# Altium PCB BMS_Slave-X+X.PcbDoc (part 1 of 3)
Units mil, origin at the board's own origin, x right, y up, seen from the top; angles counter-clockwise.
Board outline 10980 x 2910 mil, 2 copper layers (Top Layer, Bottom Layer); 344 components, 227 nets, 912 pads, 975 vias.
Unrouted connection lines stored in the file: 1.
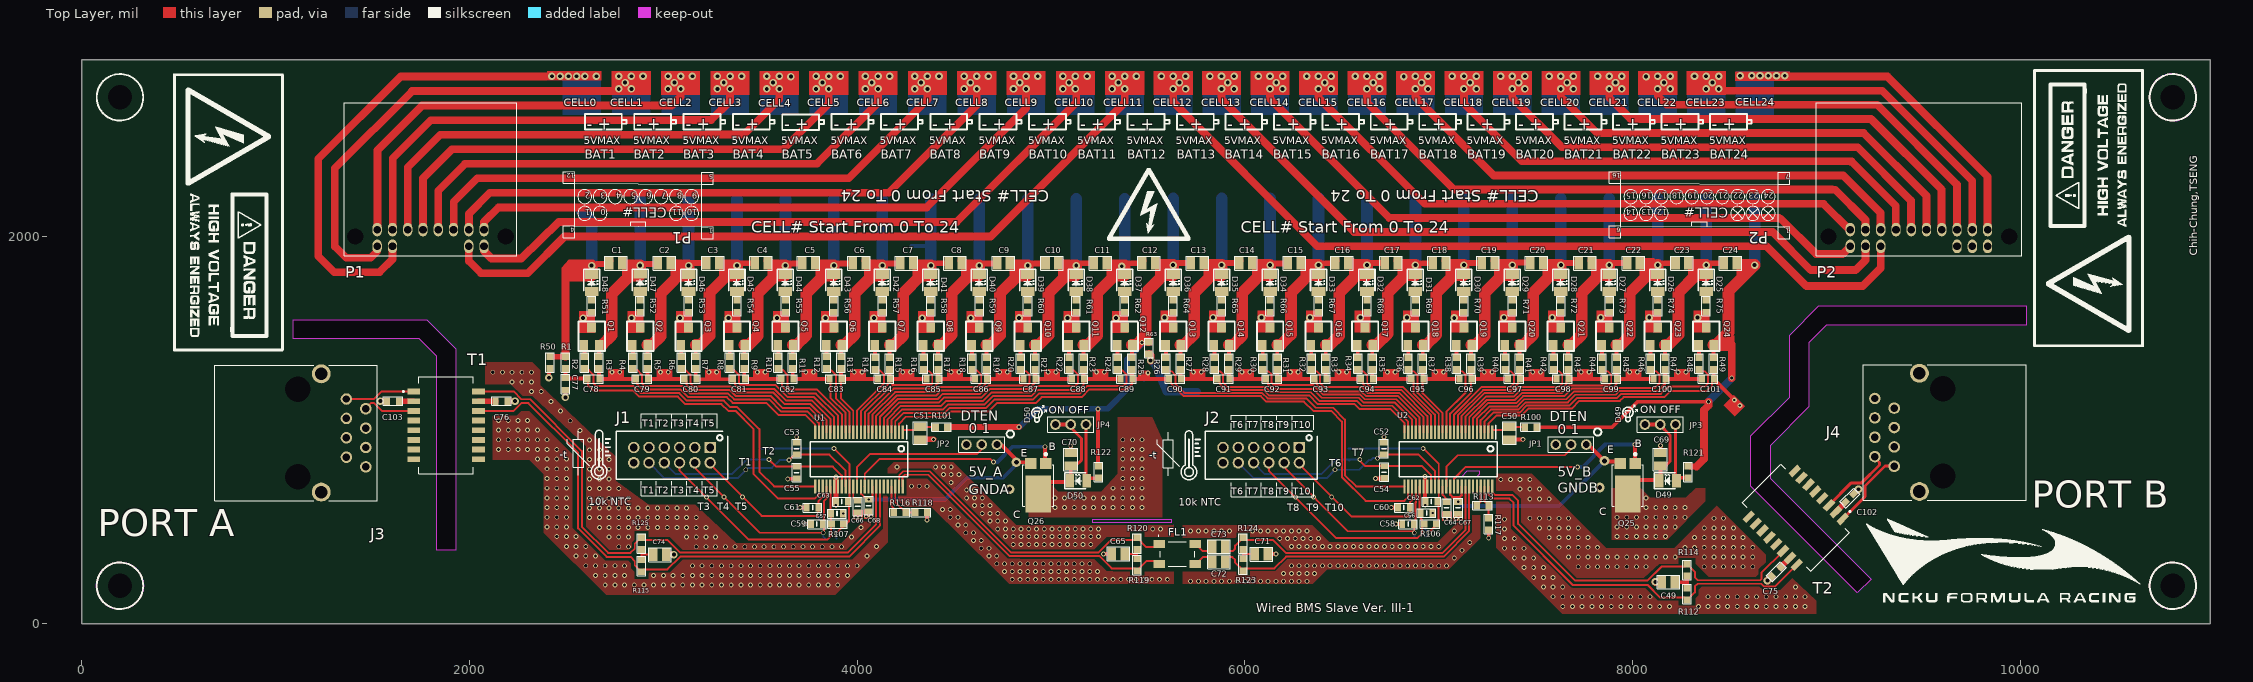
[diagram p0: Top Layer view]
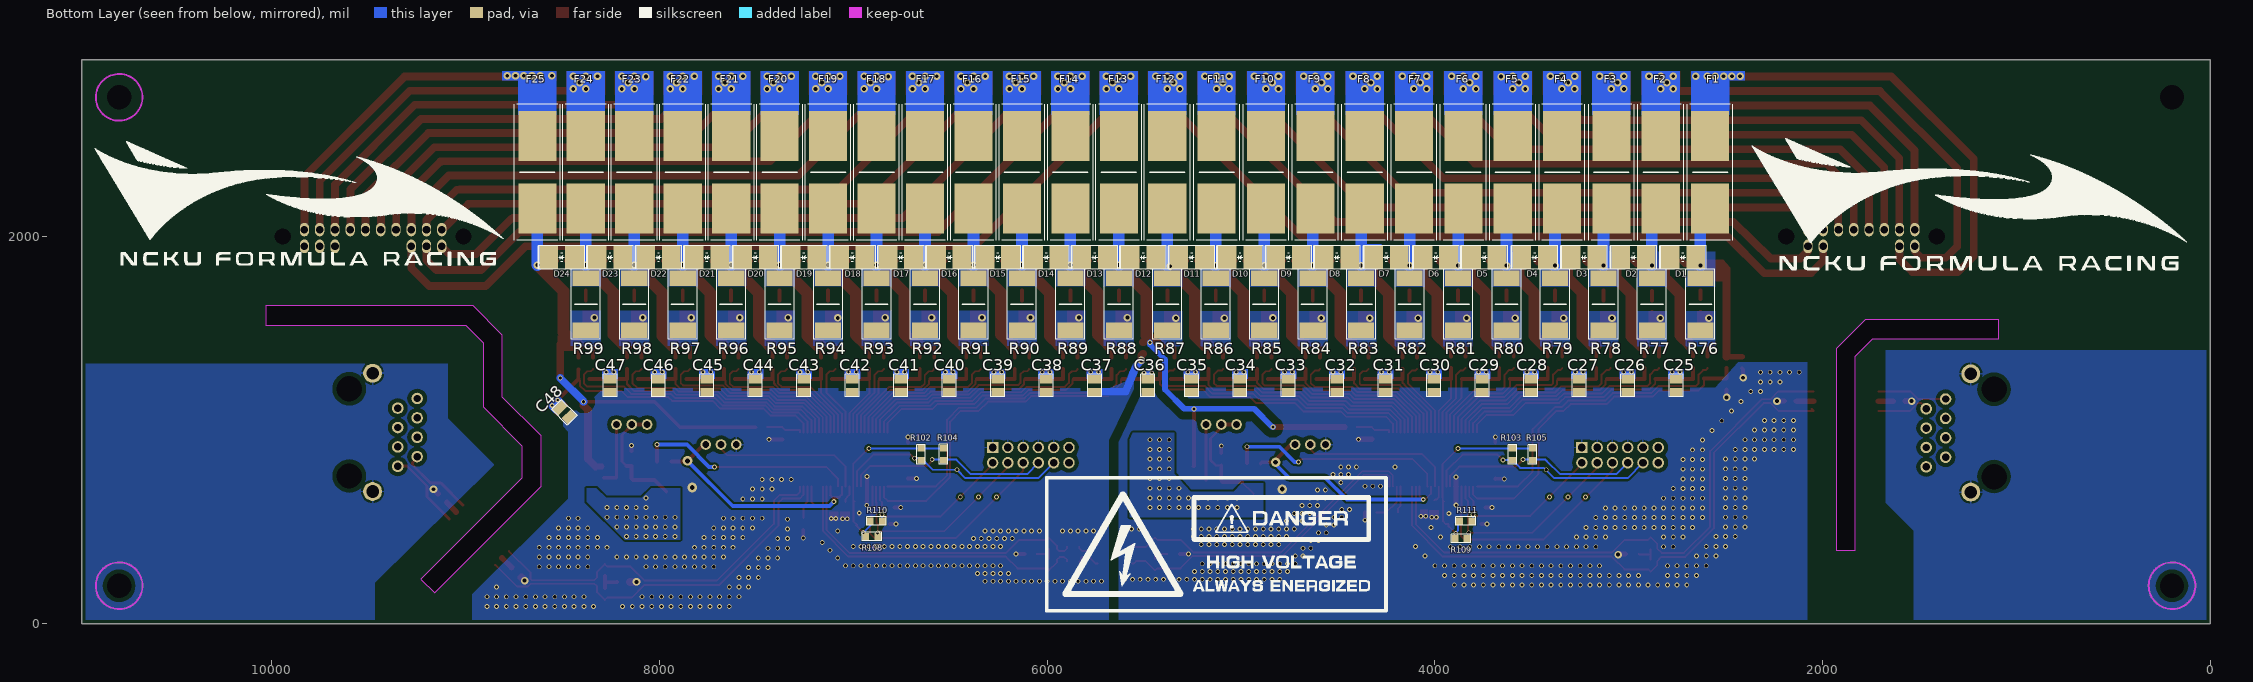
[diagram p1: Bottom Layer view, seen from below]
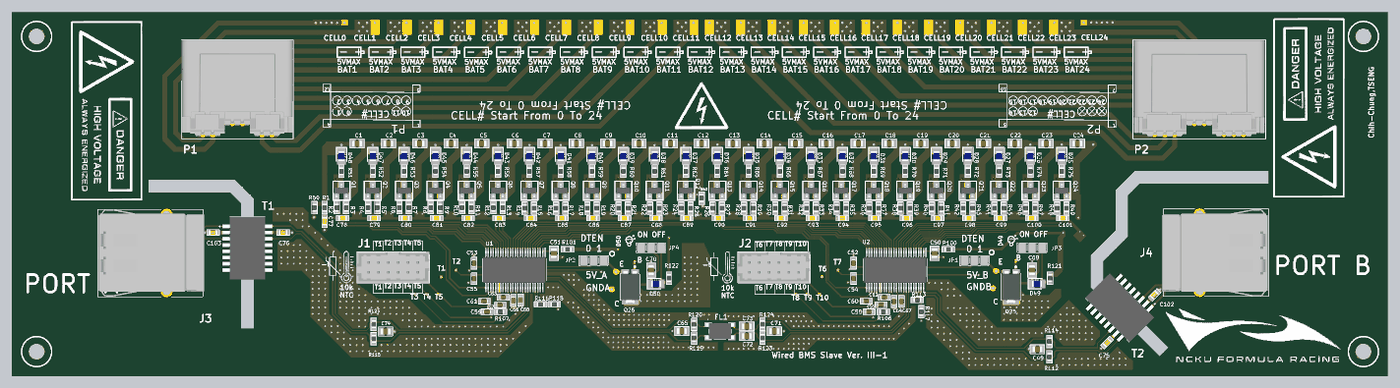
[diagram p4: 3D render of the assembled board from above, using the file's embedded part models]
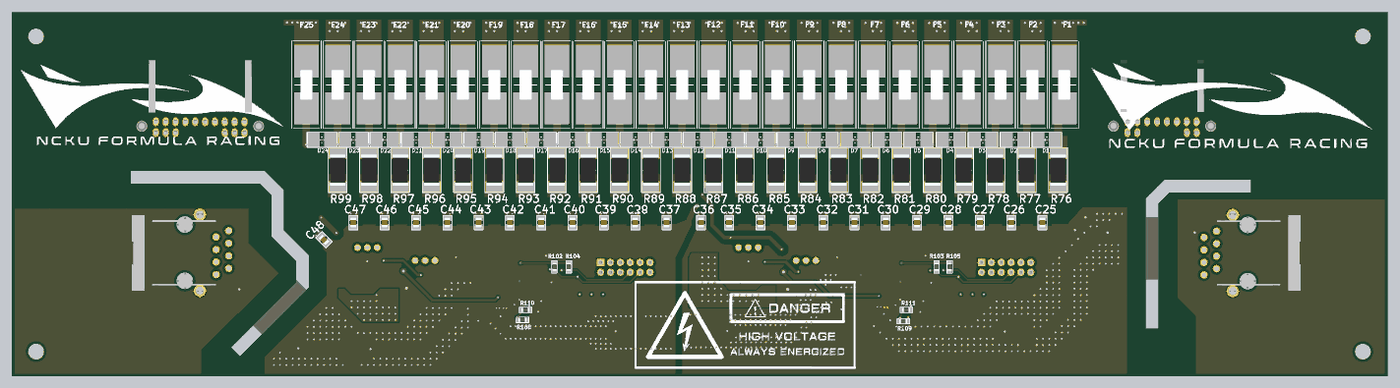
[diagram p5: 3D render of the assembled board from below, using the file's embedded part models]

## Layer stack, top to bottom
Top Solder: solder mask 0.4, Solder Resist, Dk 3.5
Top Layer: signal copper 1.4
Dielectric 1: dielectric 12.6, FR-4, Dk 4.3
Bottom Layer: signal copper 1.4
Bottom Solder: solder mask 0.4, Solder Resist, Dk 3.5

## Board outline
0,0 10980,0 10980,2910 0,2910
cut-out: 1930,1420 1930,381 1830,381 1830,1380 1740,1470 1092,1470 1092,1570 1780,1570
cut-out: 10030,1540 9000,1540 8910,1450 8910,1120 8710,920 8710,751.69 9230.85,230.85 9160,160 8610,710 8610,969.93 8810,1169.93 8810,1490 8960,1640 10030,1640

## Design rules (kind name [scope] priority, off if disabled: settings)
BoardOutlineClearance [All] p1: gap=10 ignorepadtopadclearanceinfootprint=FALSE except(0: Arc-SplitContinuation Track-SplitContinuation SMDPad-SplitContinuation THPad-SplitContinuation Via-SplitContinuation Fill-SplitContinuation Poly-SplitContinuation Region-SplitContinuation Text-SplitContinuation; 20: Poly-OutlineEdge)
Clearance "Cell0-24 CLEARANCE" [InNet('CELL24','CELL23','CELL22','CELL21','CELL20','CELL19','CELL18','CELL17','CELL16','CELL15','CELL14','CELL13','CELL12','CELL11','CELL10','CELL9','CELL8','CELL7','CELL6','CELL5','CELL4','CELL3','CELL2','CELL1','CELL0')] p1: gap=10 ignorepadtopadclearanceinfootprint=FALSE except(0: Arc-Hole Track-Hole SMDPad-Hole THPad-Hole Via-Hole Fill-Hole Poly-Hole Region-Hole Text-Hole; 2: SMDPad-SMDPad; 6: Arc-Arc Arc-Track Arc-SMDPad Arc-THPad Arc-Via Track-Track Track-SMDPad Track-THPad Track-Via SMDPad-THPad SMDPad-Via; 40: Track-Poly SMDPad-Poly THPad-Poly Via-Poly)
Clearance "C0-24 CLEARANCE" [InNet('C24','C23','C22','C21','C20','C19','C18','C17','C16','C15','C14','C13','C12','C11','C10','C9','C8','C7','C6','C5','C4','C3','C2','C1','C0')] p2: gap=10 ignorepadtopadclearanceinfootprint=FALSE except(0: Arc-Hole Track-Hole SMDPad-Hole THPad-Hole Via-Hole Fill-Hole Poly-Hole Region-Hole Text-Hole; 2: SMDPad-SMDPad; 6: Arc-Arc Arc-Track Arc-SMDPad Arc-THPad Arc-Via Track-Track Track-SMDPad Track-THPad Track-Via SMDPad-THPad SMDPad-Via; 40: Track-Poly SMDPad-Poly THPad-Poly Via-Poly)
Clearance "Layer2 Clearance" [OnLayer('Layer 2')] p3: gap=40 ignorepadtopadclearanceinfootprint=FALSE
Clearance "Cell_UF_0-24 CLEARANCE" [InNet('CELL_UF_24','CELL_UF_23','CELL_UF_22','CELL_UF_21','CELL_UF_20','CELL_UF_19','CELL_UF_18','CELL_UF_17','CELL_UF_16','CELL_UF_15','CELL_UF_14','CELL_UF_13','CELL_UF_12','CELL_UF_11','CELL_UF_10','CELL_UF_9','CELL_UF_8','CELL_UF_7','CELL_UF_6','CELL_UF_5','CELL_UF_4','CELL_UF_3','CELL_UF_2','CELL_UF_1','CELL_UF_0')] p4: gap=10 ignorepadtopadclearanceinfootprint=FALSE except(0: Arc-Hole Track-Hole SMDPad-Hole THPad-Hole Via-Hole Fill-Hole Poly-Hole Region-Hole Text-Hole; 2: SMDPad-SMDPad; 6: Arc-Arc Arc-Track Arc-SMDPad Arc-THPad Arc-Via Track-Track Track-SMDPad Track-THPad Track-Via SMDPad-THPad SMDPad-Via; 40: Track-Poly SMDPad-Poly THPad-Poly Via-Poly)
Clearance "MOS DRAIN CLEARANCE" [InNet('NetQ24_3','NetQ23_3','NetQ22_3','NetQ21_3','NetQ20_3','NetQ19_3','NetQ18_3','NetQ17_3','NetQ16_3','NetQ15_3','NetQ14_3','NetQ13_3','NetQ12_3','NetQ11_3','NetQ10_3','NetQ9_3','NetQ8_3','NetQ7_3','NetQ6_3','NetQ5_3','NetQ4_3','NetQ3_3','NetQ2_3','NetQ1_3','NetQ0_3')] p5: gap=10 ignorepadtopadclearanceinfootprint=FALSE except(0: Arc-Hole Track-Hole SMDPad-Hole THPad-Hole Via-Hole Fill-Hole Poly-Hole Region-Hole Text-Hole; 2: SMDPad-SMDPad; 6: Arc-Arc Arc-Track Arc-SMDPad Arc-THPad Arc-Via Track-Track Track-SMDPad Track-THPad Track-Via SMDPad-THPad SMDPad-Via; 40: Track-Poly SMDPad-Poly THPad-Poly Via-Poly)
Clearance [All] p6: gap=10 ignorepadtopadclearanceinfootprint=FALSE except(0: Arc-Hole Track-Hole SMDPad-Hole THPad-Hole Via-Hole Fill-Hole Poly-Hole Region-Hole Text-Hole; 2: SMDPad-SMDPad; 6: Arc-Arc Arc-Track Arc-SMDPad Arc-THPad Arc-Via Track-Track Track-SMDPad Track-THPad Track-Via SMDPad-THPad SMDPad-Via SMDPad-Poly; 20: THPad-Poly)
DiffPairsRouting DiffPairs100Ohm [InNetClass('Differential 100 Ohm')] p1: maxlimit=13.38 minlimit=6 mostfreqgap=8.32 impedancedriven=TRUE impedanceprofileid={48B31C80-792B-4DCA-A85B-5AE276B36CC6} maxuncoupledlength=500
DiffPairsRouting [All] p2: maxlimit=150 minlimit=8 mostfreqgap=10 toplayer_minwidth=10 toplayer_maxwidth=25 toplayer_prefwidth=15 bottomlayer_maxgap=15 bottomlayer_minwidth=10 bottomlayer_maxwidth=25 bottomlayer_prefwidth=15 maxuncoupledlength=500
MatchedLengths DifferentialPair [InDifferentialPairClass('All Differential Pairs')] p1: tolerance=1000 checknetsindiffpair=FALSE checkdiffpairvsdiffpair=TRUE checkxsignals=TRUE checkothers=TRUE
PlaneConnect [All] p1: pad.planeconnectstyle=Relief pad.reliefexpansion=20 pad.reliefentries=4 pad.reliefconductorwidth=10 pad.reliefairgap=10 via.planeconnectstyle=Direct via.reliefexpansion=20 via.reliefentries=4 via.reliefconductorwidth=10 via.reliefairgap=10
PolygonConnect [All] p1: thpad.connectstyle=Relief thpad.reliefconductorwidth=10 thpad.reliefentries=4 thpad.polygonreliefangle="90 Angle" thpad.airgapwidth=10 smdpad.connectstyle=Direct smdpad.reliefconductorwidth=10 smdpad.reliefentries=4 smdpad.polygonreliefangle="90 Angle" smdpad.airgapwidth=10 via.connectstyle=Direct via.reliefconductorwidth=10 via.reliefentries=4 via.polygonreliefangle="90 Angle" via.airgapwidth=10
RoutingVias [All] p1: holewidth=10 width=24 viastyle="Through Hole" minholewidth=10 minwidth=20 maxholewidth=28 maxwidth=50
SilkToSilkClearance [All] p1: silktosilkclearance=3
SolderMaskExpansion [All] p1: expansion=4
UnRoutedNet [All] p1: checkbadconnections=TRUE
Width [All] p1: maxlimit=60 minlimit=6 preferedwidth=10 minimp=50.000000 maximp=50.000000 favimp=50.000000
26 further rules are at their usual default settings.

## Classes and differential pairs
differential pair PORTA: +NetJ3_2 -NetJ3_1
differential pair PORTB: +PORTB_P -PORTB_N
differential pair ISOSPI_A: +ISOSPI_A_P -ISOSPI_A_N
differential pair ISOSPI_B: +ISOSPI_B_P -ISOSPI_B_N
differential pair ISO_SPI_MED: +ISO_SPI_MED_P -ISO_SPI_MED_N
differential pair ISO_SPI_TOP: +ISO_SPI_TOP_P -ISO_SPI_TOP_N
differential pair ISO_SPI_BOTTOM: +ISO_SPI_BOTTOM_P -ISO_SPI_BOTTOM_N

## Components (designator, comment, footprint, x,y, rotation, side; value= is the part's Value field where it differs from the comment)
C1 "25V 0.1uF X7R 0805 10%, MLCC" CAPC2012X88N 2755,1860 r180 top
C2 "25V 0.1uF X7R 0805 10%, MLCC" CAPC2012X88N 3005,1860 r180 top
C3 "25V 0.1uF X7R 0805 10%, MLCC" CAPC2012X88N 3255,1860 r180 top
C4 "25V 0.1uF X7R 0805 10%, MLCC" CAPC2012X88N 3505,1860 r180 top
C5 "25V 0.1uF X7R 0805 10%, MLCC" CAPC2012X88N 3750,1860 r180 top
C6 "25V 0.1uF X7R 0805 10%, MLCC" CAPC2012X88N 4010,1860 r180 top
C7 "25V 0.1uF X7R 0805 10%, MLCC" CAPC2012X88N 4255,1860 r180 top
C8 "25V 0.1uF X7R 0805 10%, MLCC" CAPC2012X88N 4505,1860 r180 top
C9 "25V 0.1uF X7R 0805 10%, MLCC" CAPC2012X88N 4755,1860 r180 top
C10 "25V 0.1uF X7R 0805 10%, MLCC" CAPC2012X88N 5005,1860 r180 top
C11 "25V 0.1uF X7R 0805 10%, MLCC" CAPC2012X88N 5255,1860 r180 top
C12 "25V 0.1uF X7R 0805 10%, MLCC" CAPC2012X88N 5505,1860 r180 top
C13 "25V 0.1uF X7R 0805 10%, MLCC" CAPC2012X88N 5755,1860 r180 top
C14 "25V 0.1uF X7R 0805 10%, MLCC" CAPC2012X88N 6005,1860 r180 top
C15 "25V 0.1uF X7R 0805 10%, MLCC" CAPC2012X88N 6255,1860 r180 top
C16 "25V 0.1uF X7R 0805 10%, MLCC" CAPC2012X88N 6500,1860 r180 top
C17 "25V 0.1uF X7R 0805 10%, MLCC" CAPC2012X88N 6755,1860 r180 top
C18 "25V 0.1uF X7R 0805 10%, MLCC" CAPC2012X88N 7002.36,1860 r180 top
C19 "25V 0.1uF X7R 0805 10%, MLCC" CAPC2012X88N 7255,1860 r180 top
C20 "25V 0.1uF X7R 0805 10%, MLCC" CAPC2012X88N 7505,1860 r180 top
C21 "25V 0.1uF X7R 0805 10%, MLCC" CAPC2012X88N 7755,1860 r180 top
C22 "25V 0.1uF X7R 0805 10%, MLCC" CAPC2012X88N 8005,1860 r180 top
C23 "25V 0.1uF X7R 0805 10%, MLCC" CAPC2012X88N 8255,1860 r180 top
C24 "25V 0.1uF X7R 0805 10%, MLCC" CAPC2012X88N 8505,1860 r180 top
C25 "200V, 0.01uF, 0805, X7R" CAPC2012X88N 2755,1228.66 r270 bottom
C26 "200V, 0.01uF, 0805, X7R" CAPC2012X88N 3005,1228.66 r270 bottom
C27 "200V, 0.01uF, 0805, X7R" CAPC2012X88N 3255,1228.66 r270 bottom
C28 "200V, 0.01uF, 0805, X7R" CAPC2012X88N 3505,1228.66 r270 bottom
C29 "200V, 0.01uF, 0805, X7R" CAPC2012X88N 3755,1228.66 r270 bottom
C30 "200V, 0.01uF, 0805, X7R" CAPC2012X88N 4005,1228.66 r270 bottom
C31 "200V, 0.01uF, 0805, X7R" CAPC2012X88N 4255,1228.66 r270 bottom
C32 "200V, 0.01uF, 0805, X7R" CAPC2012X88N 4505,1228.66 r270 bottom
C33 "200V, 0.01uF, 0805, X7R" CAPC2012X88N 4755,1228.66 r270 bottom
C34 "200V, 0.01uF, 0805, X7R" CAPC2012X88N 5005,1228.66 r270 bottom
C35 "200V, 0.01uF, 0805, X7R" CAPC2012X88N 5255,1228.66 r270 bottom
C36 "200V, 0.01uF, 0805, X7R" CAPC2012X88N 5480,1228.66 r270 bottom
C37 "200V, 0.01uF, 0805, X7R" CAPC2012X88N 5755,1228.66 r270 bottom
C38 "200V, 0.01uF, 0805, X7R" CAPC2012X88N 6005,1228.66 r270 bottom
C39 "200V, 0.01uF, 0805, X7R" CAPC2012X88N 6255,1228.66 r270 bottom
C40 "200V, 0.01uF, 0805, X7R" CAPC2012X88N 6505,1228.66 r270 bottom
C41 "200V, 0.01uF, 0805, X7R" CAPC2012X88N 6755,1228.66 r270 bottom
C42 "200V, 0.01uF, 0805, X7R" CAPC2012X88N 7005,1228.66 r270 bottom
C43 "200V, 0.01uF, 0805, X7R" CAPC2012X88N 7255,1228.66 r270 bottom
C44 "200V, 0.01uF, 0805, X7R" CAPC2012X88N 7505,1228.66 r270 bottom
C45 "200V, 0.01uF, 0805, X7R" CAPC2012X88N 7755,1228.66 r270 bottom
C46 "200V, 0.01uF, 0805, X7R" CAPC2012X88N 8005,1228.66 r270 bottom
C47 "200V, 0.01uF, 0805, X7R" CAPC2012X88N 8255,1228.66 r270 bottom
C48 "200V, 0.01uF, 0805, X7R" CAPC2012X88N 8490,1091 r225 bottom
C49 "200V, 0.01uF, 0805, X7R" CAPC2012X88N 8185,216 r180 top
C50 "200V, 0.1uF, 0805, X7R" CAPC2012X88N 7365.32,983.66 r270 top
C51 "200V, 0.1uF, 0805, X7R" CAPC2012X88N 4325,983.66 r270 top
C52 "CGA3E1X7R1E105K080AC" CAPC1608X90N 6717.5,904.16 r90 top
C53 "CGA3E1X7R1E105K080AC" CAPC1608X90N 3688,904.16 r90 top
C54 "CGA3E1X7R1E105K080AC" CAPC1608X90N 6718.66,782.73 r270 top
C55 "CGA3E1X7R1E105K080AC" CAPC1608X90N 3688,780 r270 top
C56 "CGA3E1X7R1E105K080AC" CAPC1608X90N 6938,572 r0 top
C57 "CGA3E1X7R1E105K080AC" CAPC1608X90N 3895.91,568.76 r0 top
C58 "CGA3E1X7R1E105K080AC" CAPC1608X90N 6842.17,515 r180 top
C59 "CGA3E1X7R1E105K080AC" CAPC1608X90N 3792.17,515 r180 top
C60 "CGA3E1X7R1E105K080AC" CAPC1608X90N 6820,600 r180 top
C61 "CGA3E1X7R1E105K080AC" CAPC1608X90N 3770,600 r180 top
C62 "CGA3E1X7R1E105K080AC" CAPC1608X90N 6962.64,630.66 r180 top
C63 "CGA3E1X7R1E105K080AC" CAPC1608X90N 3921.5,630.66 r180 top
C64 "CGA3E1X7R1E105K080AC" CAPC1608X90N 7041,598 r270 top
C65 "200V, 0.01uF, 0805, X7R" CAPC2012X88N 5347,361 r180 top
C66 "CGA3E1X7R1E105K080AC" CAPC1608X90N 4003,606 r270 top
C67 "CGA3E1X7R1E105K080AC" CAPC1608X90N 7100,599 r270 top
C68 "CGA3E1X7R1E105K080AC" CAPC1608X90N 4059.33,610 r270 top
C69 "200V, 0.1uF, 0603, X7R" CAPC2012X88N 8142.66,848.66 r90 top
C70 "200V, 0.1uF, 0603, X7R" CAPC2012X88N 5101.52,848.66 r90 top
C71 "200V, 0.01uF, 0603, X7R" CAPC2012X88N 6085.33,360 r0 top
C72 "200V, 0.01uF, 0603, X7R" CAPC2012X88N 5866,320.79 r180 top
C73 "200V, 0.01uF, 0603, X7R" CAPC2012X88N 5866,399.21 r180 top
C74 "200V, 0.01uF, 0805, X7R" CAPC2012X88N 2982.58,357.5 r0 top
C75 "200V, 0.01uF, 0603, X7R" CAPC1608X85N#1 8741.28,269.01 r225 top
C76 "200V, 0.01uF, 0603, X7R" CAPC1608X85N#1 2165,1149 r0 top
C77 "200V, 0.01uF, 0603, X7R" CAPC1608X85N#1 2495,1238.48 r270 top (schematic designator C101)
C78 "200V, 0.01uF, 0603, X7R" CAPC1608X85N#1 2639.4,1263.66 r180 top (schematic designator C100)
C79 "200V, 0.01uF, 0603, X7R" CAPC1608X85N#1 2889.64,1263.9 r180 top (schematic designator C99)
C80 "200V, 0.01uF, 0603, X7R" CAPC1608X85N#1 3139.4,1263.66 r180 top (schematic designator C98)
C81 "200V, 0.01uF, 0603, X7R" CAPC1608X85N#1 3389.4,1263.66 r180 top (schematic designator C97)
C82 "200V, 0.01uF, 0603, X7R" CAPC1608X85N#1 3639.4,1263.66 r180 top (schematic designator C96)
C83 "200V, 0.01uF, 0603, X7R" CAPC1608X85N#1 3889.4,1263.66 r180 top (schematic designator C95)
C84 "200V, 0.01uF, 0603, X7R" CAPC1608X85N#1 4139.4,1263.66 r180 top (schematic designator C94)
C85 "200V, 0.01uF, 0603, X7R" CAPC1608X85N#1 4389.4,1263.66 r180 top (schematic designator C93)
C86 "200V, 0.01uF, 0603, X7R" CAPC1608X85N#1 4639.4,1263.66 r180 top (schematic designator C92)
C87 "200V, 0.01uF, 0603, X7R" CAPC1608X85N#1 4889.4,1263.66 r180 top (schematic designator C91)
C88 "200V, 0.01uF, 0603, X7R" CAPC1608X85N#1 5139.4,1263.66 r180 top (schematic designator C90)
C89 "200V, 0.01uF, 0603, X7R" CAPC1608X85N#1 5389.4,1263.66 r180 top
C90 "200V, 0.01uF, 0603, X7R" CAPC1608X85N#1 5639.4,1263.66 r180 top (schematic designator C88)
C91 "200V, 0.01uF, 0603, X7R" CAPC1608X85N#1 5889.4,1263.66 r180 top (schematic designator C87)
C92 "200V, 0.01uF, 0603, X7R" CAPC1608X85N#1 6139.4,1263.66 r180 top (schematic designator C86)
C93 "200V, 0.01uF, 0603, X7R" CAPC1608X85N#1 6389.4,1263.66 r180 top (schematic designator C85)
C94 "200V, 0.01uF, 0603, X7R" CAPC1608X85N#1 6629.4,1263.66 r180 top (schematic designator C84)
C95 "200V, 0.01uF, 0603, X7R" CAPC1608X85N#1 6889.4,1263.66 r180 top (schematic designator C83)
C96 "200V, 0.01uF, 0603, X7R" CAPC1608X85N#1 7139.4,1263.66 r180 top (schematic designator C82)
C97 "200V, 0.01uF, 0603, X7R" CAPC1608X85N#1 7389.4,1263.66 r180 top (schematic designator C81)
C98 "200V, 0.01uF, 0603, X7R" CAPC1608X85N#1 7639.4,1263.66 r180 top (schematic designator C80)
C99 "200V, 0.01uF, 0603, X7R" CAPC1608X85N#1 7889.4,1263.66 r180 top (schematic designator C79)
C100 "200V, 0.01uF, 0603, X7R" CAPC1608X85N#1 8139.4,1263.66 r180 top (schematic designator C78)
C101 "200V, 0.01uF, 0603, X7R" CAPC1608X85N#1 8389.4,1263.66 r180 top (schematic designator C77)
C102 "200V, 0.01uF, 0603, X7R" CAPC1608X85N#2 9120,649 r45 top
C103 "200V, 0.01uF, 0603, X7R" CAPC1608X85N#1 1605,1149 r180 top
D1 "SZESD9101P2T5G" SODFL1006X40N 2720,1890 r180 bottom
D2 "SZESD9101P2T5G" SODFL1006X40N 2975,1890 r180 bottom
D3 "SZESD9101P2T5G" SODFL1006X40N 3230,1890 r180 bottom
D4 "SZESD9101P2T5G" SODFL1006X40N 3485,1890 r180 bottom
D5 "SZESD9101P2T5G" SODFL1006X40N 3745,1890 r180 bottom
D6 "SZESD9101P2T5G" SODFL1006X40N 3995,1890 r180 bottom
D7 "SZESD9101P2T5G" SODFL1006X40N 4250,1890 r180 bottom
D8 "SZESD9101P2T5G" SODFL1006X40N 4505,1890 r180 bottom
D9 "SZESD9101P2T5G" SODFL1006X40N 4755,1890 r180 bottom
D10 "SZESD9101P2T5G" SODFL1006X40N 5005,1890 r180 bottom
D11 "SZESD9101P2T5G" SODFL1006X40N 5255,1890 r180 bottom
D12 "SZESD9101P2T5G" SODFL1006X40N 5505,1890 r180 bottom
D13 "SZESD9101P2T5G" SODFL1006X40N 5755,1890 r180 bottom
D14 "SZESD9101P2T5G" SODFL1006X40N 6005,1890 r180 bottom
D15 "SZESD9101P2T5G" SODFL1006X40N 6255,1890 r180 bottom
D16 "SZESD9101P2T5G" SODFL1006X40N 6505,1890 r180 bottom
D17 "SZESD9101P2T5G" SODFL1006X40N 6755,1890 r180 bottom
D18 "SZESD9101P2T5G" SODFL1006X40N 7005,1890 r180 bottom
D19 "SZESD9101P2T5G" SODFL1006X40N 7255,1890 r180 bottom
D20 "SZESD9101P2T5G" SODFL1006X40N 7505,1890 r180 bottom
D21 "SZESD9101P2T5G" SODFL1006X40N 7755,1890 r180 bottom
D22 "SZESD9101P2T5G" SODFL1006X40N 8005,1890 r180 bottom
D23 "SZESD9101P2T5G" SODFL1006X40N 8255,1890 r180 bottom
D24 "SZESD9101P2T5G" SODFL1006X40N 8505,1890 r180 bottom
D25 "SML-210VTT86" LEDC2012X80N 8380,1758.66 r270 top
D26 "SML-210VTT86" LEDC2012X80N 8130,1758.66 r270 top
D27 "SML-210VTT86" LEDC2012X80N 7880,1758.66 r270 top
D28 "SML-210VTT86" LEDC2012X80N 7630,1758.66 r270 top
D29 "SML-210VTT86" LEDC2012X80N 7380,1758.66 r270 top
D30 "SML-210VTT86" LEDC2012X80N 7130,1758.66 r270 top
D31 "SML-210VTT86" LEDC2012X80N 6879.84,1758.66 r270 top
D32 "SML-210VTT86" LEDC2012X80N 6630,1758.66 r270 top
D33 "SML-210VTT86" LEDC2012X80N 6380,1758.66 r270 top
D34 "SML-210VTT86" LEDC2012X80N 6130,1758.66 r270 top
D35 "SML-210VTT86" LEDC2012X80N 5880,1758.66 r270 top
D36 "SML-210VTT86" LEDC2012X80N 5630,1758.66 r270 top
D37 "SML-210VTT86" LEDC2012X80N 5380,1758.66 r270 top
D38 "SML-210VTT86" LEDC2012X80N 5130,1758.66 r270 top
D39 "SML-210VTT86" LEDC2012X80N 4880,1758.66 r270 top
D40 "SML-210VTT86" LEDC2012X80N 4630,1758.66 r270 top
D41 "SML-210VTT86" LEDC2012X80N 4380,1758.66 r270 top
D42 "SML-210VTT86" LEDC2012X80N 4130,1758.66 r270 top
D43 "SML-210VTT86" LEDC2012X80N 3880,1758.66 r270 top
D44 "SML-210VTT86" LEDC2012X80N 3630,1758.66 r270 top
D45 "SML-210VTT86" LEDC2012X80N 3380,1758.66 r270 top
D46 "SML-210VTT86" LEDC2012X80N 3130,1758.66 r270 top
D47 "SML-210VTT86" LEDC2012X80N 2880.39,1758.9 r270 top
D48 "SML-210VTT86" LEDC2012X80N 2630,1758.66 r270 top
D49 "SML-210VTT86" LEDC2012X80N 8182.03,738.66 r0 top
D50 "SML-210VTT86" LEDC2012X80N 5140.89,738.66 r0 top
F1 "0885001.DR" 0679L0250-05_FUSE_SMD 2580,2330 r270 bottom
F2 "0885001.DR" 0679L0250-05_FUSE_SMD 2834.55,2330 r270 bottom
F3 "0885001.DR" 0679L0250-05_FUSE_SMD 3089.09,2330 r270 bottom
F4 "0885001.DR" 0679L0250-05_FUSE_SMD 3343.64,2330 r270 bottom
F5 "0885001.DR" 0679L0250-05_FUSE_SMD 3598.18,2330 r270 bottom
F6 "0885001.DR" 0679L0250-05_FUSE_SMD 3852.73,2330 r270 bottom
F7 "0885001.DR" 0679L0250-05_FUSE_SMD 4107.27,2330 r270 bottom
F8 "0885001.DR" 0679L0250-05_FUSE_SMD 4361.82,2330 r270 bottom
F9 "0885001.DR" 0679L0250-05_FUSE_SMD 4616.36,2330 r270 bottom
F10 "0885001.DR" 0679L0250-05_FUSE_SMD 4870.91,2330 r270 bottom
F11 "0885001.DR" 0679L0250-05_FUSE_SMD 5125.45,2330 r270 bottom
F12 "0885001.DR" 0679L0250-05_FUSE_SMD 5380,2330 r270 bottom
F13 "0885001.DR" 0679L0250-05_FUSE_SMD 5630,2330 r270 bottom
F14 "0885001.DR" 0679L0250-05_FUSE_SMD 5880,2330 r270 bottom
F15 "0885001.DR" 0679L0250-05_FUSE_SMD 6130,2330 r270 bottom
F16 "0885001.DR" 0679L0250-05_FUSE_SMD 6380,2330 r270 bottom
F17 "0885001.DR" 0679L0250-05_FUSE_SMD 6630,2330 r270 bottom
F18 "0885001.DR" 0679L0250-05_FUSE_SMD 6880,2330 r270 bottom
F19 "0885001.DR" 0679L0250-05_FUSE_SMD 7130,2330 r270 bottom
F20 "0885001.DR" 0679L0250-05_FUSE_SMD 7380,2330 r270 bottom
F21 "0885001.DR" 0679L0250-05_FUSE_SMD 7630,2330 r270 bottom
F22 "0885001.DR" 0679L0250-05_FUSE_SMD 7880,2330 r270 bottom
F23 "0885001.DR" 0679L0250-05_FUSE_SMD 8130,2330 r270 bottom
F24 "0885001.DR" 0679L0250-05_FUSE_SMD 8380,2330 r270 bottom
F25 "0885001.DR" 0679L0250-05_FUSE_SMD 8630,2330 r270 bottom
FL1 "ACT45B-101-2P-TL003" ACT45B1012PTL003 5651,360 r0 top
J1 "87831-1220" SHDR12W55P200_2X6_1465X630X640P 3241.22,910 r180 top (schematic designator J2)
J2 "87831-1220" SHDR12W55P200_2X6_1465X630X640P 6281.22,910 r180 top (schematic designator J1)